# Altium PCB VOU_SOM_CV_V0.0.1.PcbDoc (part 2 of 3) (continued)
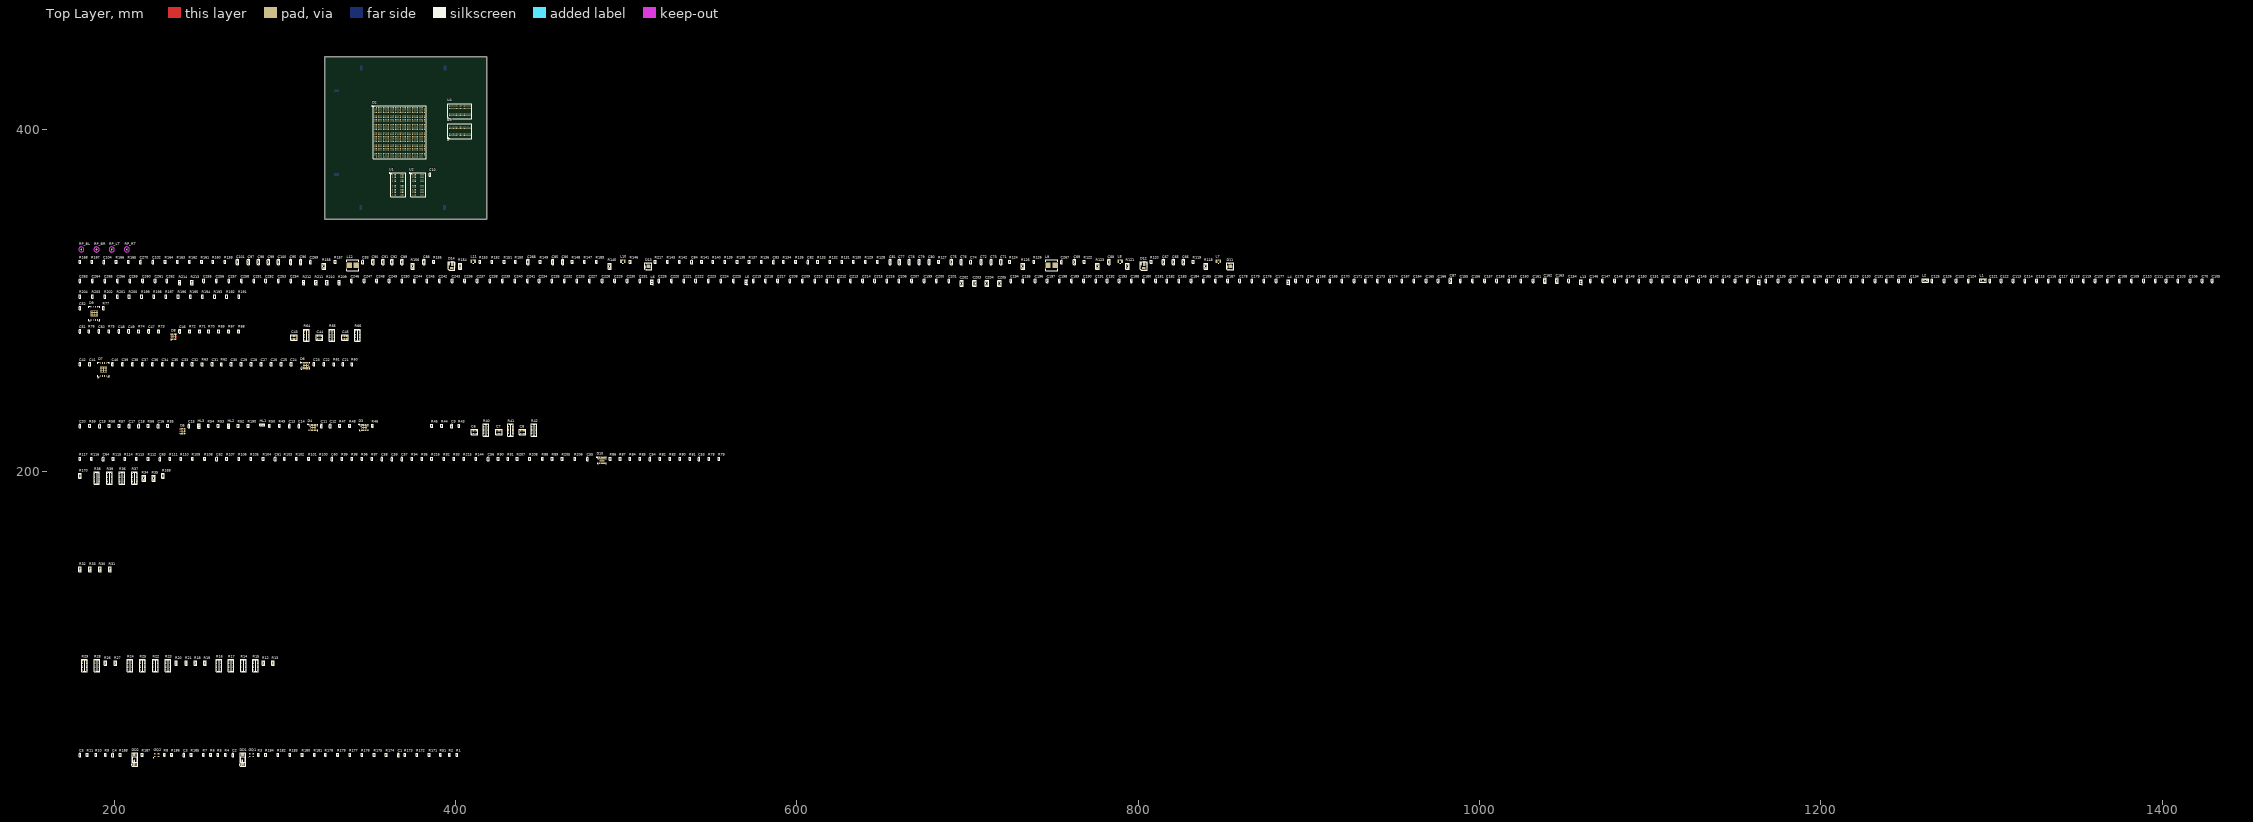
[diagram p0: Top Layer view]
## Footprints (in the part's own frame and the unit in brackets; to place one, negate y for a bottom-side part, rotate by r counter-clockwise, add the part's x,y. Pads: shape width x height; smd on the part's side, far side on the other; paste and mask are expansions set on the pad) (continued)
  Top Layer region: -25.35,-1.55 -25.35,1.55 -23.75,1.55 -23.75,-1.55
  Top Layer region: 23.75,-1.55 23.75,1.55 25.35,1.55 25.35,-1.55
  silkscreen extent -24.55,-4.82 24.55,4.27, body extent -24.55,-3.65 24.55,3.65, height 3.17
INDC2720X12L [mm] "Chip Inductor, 2-Leads, Body 2,70x2,00mm, IPC High Density"
  rect 0.99x2.12 smd: 1(-1.085,0) 2(1.085,0)
  silkscreen extent -0.2,-0.96 0.2,0.96, body extent -1.4,-1.1 1.4,1.1, height 1.2
INDP6965X30L [mm] "Precision Wire Wound Inductor, 2-Leads, Body 6,86x6,47mm, IPC High Density"
  rect 3.2x3.25 smd: 1(-2.15,0) 2(2.15,0)
  silkscreen extent -3.45,-3.25 3.45,3.25, body extent -3.43,-3.23 3.43,3.23, height 3
IR3859 [mm]
  rect 0.75x0.25 smd: 1(0,0) 2(0,-0.5) 3(0,-1) 4(0,-1.5) 5(0,-2) 6(0,-2.5) 7(0,-3)
  rect 0.25x0.75 smd: 8(0.78,-3.425) 9(1.28,-3.425) 10(1.78,-3.425) 14(1.78,0.425) 15(1.28,0.425) 16(0.78,0.425)
  rect 1.95x0.8 smd: 11(3.65,-3.395)
  rect 2.82x1.62 smd: 12(3.84,-1.785)
  rect 1.95x1.37 smd: 13(3.65,0.115)
  rect 1.2x2.19 smd: 17(1.3,-1.5)
  silkscreen extent 0,-3.41 4.91,0.41, body extent 0,-3.41 4.91,0.43, height 1
LED0603_GREEN [mm]
  rect 0.8x1 smd: 1(-0.8,0) 2(0.8,0)
  silkscreen extent -1.4,-0.7 1.4,0.7, body extent -0.81,-0.4 0.81,0.4, height 1.1
LED0603_Red [mm]
  rect 0.8x1 smd: 1(-0.8,0) 2(0.8,0)
  silkscreen extent -1.4,-0.7 1.4,0.7, body extent -0.81,-0.4 0.81,0.4, height 1.1
LED0603_Yellow [mm]
  rect 0.8x1 smd: 1(-0.8,0) 2(0.8,0)
  silkscreen extent -1.4,-0.7 1.4,0.7, body extent -0.81,-0.4 0.81,0.4, height 1.1
MICT-HA-96 [mm] "BGA, 96-Balls, Body 14x9mm, Pitch 0.8mm"
  round 0.4 smd: A1(-3.2,6) A2(-2.4,6) A3(-1.6,6) A7(1.6,6) A8(2.4,6) A9(3.2,6) B1(-3.2,5.2) B2(-2.4,5.2) B3(-1.6,5.2) B7(1.6,5.2) B8(2.4,5.2) B9(3.2,5.2) C1(-3.2,4.4) C2(-2.4,4.4) C3(-1.6,4.4) C7(1.6,4.4) C8(2.4,4.4) C9(3.2,4.4) D1(-3.2,3.6) D2(-2.4,3.6) D3(-1.6,3.6) D7(1.6,3.6) D8(2.4,3.6) D9(3.2,3.6) E1(-3.2,2.8) E2(-2.4,2.8) E3(-1.6,2.8) E7(1.6,2.8) E8(2.4,2.8) E9(3.2,2.8) F1(-3.2,2) F2(-2.4,2) F3(-1.6,2) F7(1.6,2) F8(2.4,2) F9(3.2,2) G1(-3.2,1.2) G2(-2.4,1.2) G3(-1.6,1.2) G7(1.6,1.2) G8(2.4,1.2) G9(3.2,1.2) H1(-3.2,0.4) H2(-2.4,0.4) H3(-1.6,0.4) H7(1.6,0.4) H8(2.4,0.4) H9(3.2,0.4) J1(-3.2,-0.4) J2(-2.4,-0.4) J3(-1.6,-0.4) J7(1.6,-0.4) J8(2.4,-0.4) J9(3.2,-0.4) K1(-3.2,-1.2) K2(-2.4,-1.2) K3(-1.6,-1.2) K7(1.6,-1.2) K8(2.4,-1.2) K9(3.2,-1.2) L1(-3.2,-2) L2(-2.4,-2) L3(-1.6,-2) L7(1.6,-2) L8(2.4,-2) L9(3.2,-2) M1(-3.2,-2.8) M2(-2.4,-2.8) M3(-1.6,-2.8) M7(1.6,-2.8) M8(2.4,-2.8) M9(3.2,-2.8) N1(-3.2,-3.6) N2(-2.4,-3.6) N3(-1.6,-3.6) N7(1.6,-3.6) N8(2.4,-3.6) N9(3.2,-3.6) P1(-3.2,-4.4) P2(-2.4,-4.4) P3(-1.6,-4.4) P7(1.6,-4.4) P8(2.4,-4.4) P9(3.2,-4.4) R1(-3.2,-5.2) R2(-2.4,-5.2) R3(-1.6,-5.2) R7(1.6,-5.2) R8(2.4,-5.2) R9(3.2,-5.2) T1(-3.2,-6) T2(-2.4,-6) T3(-1.6,-6) T7(1.6,-6) T8(2.4,-6) T9(3.2,-6)
  silkscreen extent -5.27,-7 4.5,7, body extent -4.5,-7 4.5,7, height 0.1
QFN50P450X350X100_HS-21N [mm] "QFN, 20-Leads, Body 4,50x3,50mm, Pitch 0,50mm/1,50mm, Thermal Pad 3,05x2,05mm, IPC Medium Density"
  oval 0.9x0.3 smd: 1(-2.175,0.75) 2(-2.175,-0.75) 11(2.175,-0.75) 12(2.175,0.75)
  oval 0.3x0.9 smd: 3(-1.75,-1.675) 4(-1.25,-1.675) 5(-0.75,-1.675) 6(-0.25,-1.675) 7(0.25,-1.675) 8(0.75,-1.675) 9(1.25,-1.675) 10(1.75,-1.675) 13(1.75,1.675) 14(1.25,1.675) 15(0.75,1.675) 16(0.25,1.675) 17(-0.25,1.675) 18(-0.75,1.675) 19(-1.25,1.675) 20(-1.75,1.675)
  rect 3.05x2.05 smd: 21(0,0)
  silkscreen extent -3.25,-1.97 2.48,1.97, body extent -2.32,-1.83 2.33,1.83, height 1
Reper-Normal [mm]
  round 1 smd mask+1: 0(0,0)
  Top Layer keep-out circle w0.1: c0,0 r1.5
RT8012AGQW [mm]
  rect 0.6x0.38 smd: 1(-0.1,0) 2(-0.1,-0.65) 3(-0.1,-1.3) 4(-0.1,-1.95) 9(3.35,-1.95) 10(3.35,-1.3) 11(3.35,-0.65) 12(3.35,0)
  rect 0.38x0.6 smd: 5(0.65,-2.7) 6(1.3,-2.7) 7(1.95,-2.7) 8(2.6,-2.7) 13(2.6,0.75) 14(1.95,0.75) 15(1.3,0.75) 16(0.65,0.75)
  rect 2x2 smd: 17(1.625,-0.975)
  silkscreen extent -0.39,-2.99 3.63,1.04, body extent -0.4,-2.99 3.63,1.05, height 0.8
SON127P800X80_HS-9N [mm] "SON, 8-Leads, Body 6,00x8,00mm, Pitch 1,27mm, Thermal Pad 4,30x3,40mm, IPC Medium Density"
  rect 1.05x0.4 smd: 1(-3.87,1.905) 2(-3.87,0.635) 3(-3.87,-0.635) 4(-3.87,-1.905) 5(3.87,-1.905) 6(3.87,-0.635) 7(3.87,0.635) 8(3.87,1.905)
  rect 3.4x4.3 smd paste-1.7: 9(0,0)
  silkscreen extent -4.7,-3.25 4.25,3.3, body extent -4.1,-3.1 4.1,3.1, height 0.8
TI-DRC10-2400X1650TP_V [mm] "SON, 10-Leads, Body 3x3mm, Pitch 0.5mm, Thermal Pad 3x1.65mm"
  rect 0.85x0.28 smd: 1(-1.475,1) 2(-1.475,0.5) 3(-1.475,0) 4(-1.475,-0.5) 5(-1.475,-1) 6(1.475,-1) 7(1.475,-0.5) 8(1.475,0) 9(1.475,0.5) 10(1.475,1)
  rect 1.65x2.4 smd: 11(0,0)
  Top Layer region: 0.11,1.2 0.11,1.7 0.39,1.7 0.39,1.2
  Top Layer region: -0.11,-1.2 -0.11,-1.7 -0.39,-1.7 -0.39,-1.2
  Top Layer region: 0.11,-1.2 0.11,-1.7 0.39,-1.7 0.39,-1.2
  Top Layer region: -0.11,1.2 -0.11,1.7 -0.39,1.7 -0.39,1.2
  silkscreen extent -2,-1.55 1.55,1.6, body extent -1.5,-1.5 1.5,1.5, height 1
TSSOP-8 [mm] "TSOP, 8-Leads, Body 3.0x4.4mm, Pitch 0.65mm, IPC Medium Density"
  rect 1.7x0.3 smd: 1(-2.85,0.975)
  oval 1.7x0.3 smd: 2(-2.85,0.325) 3(-2.85,-0.325) 4(-2.85,-0.975) 5(2.85,-0.975) 6(2.85,-0.325) 7(2.85,0.325) 8(2.85,0.975)
  silkscreen extent -4,-1.55 4,2.17, body extent -3.2,-1.5 3.2,1.5, height 1.2

## Part data
C1 C2 C3 C4 C5 C9 C10 C11 C12 C13 C14 C15 C16 C17 C18 C19 C20 C21 C22 C23 C24 C25 C26 C27 C28 C29 C30 C31 C32 C33 C34 C35 C36 C37 C38 C39 C40 C41 C42 C46 C47 C48 C49 C50 C51 C52 C53 C54 C55 C56 C57 C58 C59 C60 C61 C62 C63 C64 C70 C74 C82 C83 C84 C93 C94 C102 C103 C104 C105 C106 C107 C108 C109 C110 C111 C112 C113 C114 C115 C116 C117 C118 C119 C120 C121 C122 C123 C124 C125 C126 C127 C128 C129 C130 C131 C132 C133 C134 C135 C136 C137 C138 C139 C140 C141 C142 C143 C144 C145 C146 C147 C148 C149 C150 C151 C152 C153 C154 C155 C156 C157 C158 C159 C160 C161 C164 C165 C166 C167 C168 C169 C170 C171 C172 C173 C174 C175 C176 C177 C178 C179 C180 C181 C182 C183 C184 C185 C186 C187 C188 C189 C190 C191 C192 C193 C194 C195 C196 C197 C198 C199 C200 C201 C206 C207 C208 C209 C210 C211 C212 C213 C214 C215 C216 C217 C218 C219 C220 C221 C222 C223 C224 C225 C226 C227 C228 C229 C230 C231 C232 C233 C234 C235 C236 C237 C238 C239 C240 C241 C242 C243 C244 C245 C246 C247 C248 C249 C250 C251 C252 C253 C254 C255 C256 C257 C258 C259 C260 C261 C262 C263 C264 C265 C266 C267 C269 C270: library part CC0402-X7R-#-20%-10В, "Чип конденсатор керамический"
C6 C7 C8 C43 C44 C45: "Чип конденсатор керамический"
C65 C66 C67 C68 C69 C71 C72 C73 C75 C76 C77 C78 C79 C80 C81 C85 C86 C87 C88 C89 C90 C91 C92 C95 C96 C97 C98 C99 C100 C101 C162 C163 C268: library part CC0603-X5R-#-20%-6,3В, "Чип конденсатор керамический"
C202 C203 C204 C205: library part CC0805-X7R-#-20%-25В, "Чип конденсатор керамический"
D2: "Cyclone V SX Family FPGA, 1.07 to 1.13 V Supply, 288 I/O Pins, 6 PLLs, 896-Pin FBGA, Speed Grade 7, Industrial Grade, RoHS Compliant"
D3 D4 D6 D10: "8-Bit Bidirectional Voltage-Level Translator with Auto Direction Sensing and +/-15-kV ESD Protect, VQFN-20 LARGE T&R"
D5 D8: "Single Output LDO, 3 A, 2.375 to 3.5 V Input, with DDR Termination, 10-pin SON (DRC), -40 to 85 degC, Green (RoHS & no Sb/Br)"
D7 D9: "512 Mb (x1/x2/x4) Serial NOR Flash Memory with Multi I/O, 108 MHz, 2.7 to 3.6 V, 16-pin SO16 Wide (SF), Tape & Reel"
D12 D14: library part IR3859MPbF, "IC REG BUCK ADJ 9A SYNC 17PQFN"
DD1 DD2: "High-Performance  Clock Buffer 1:4"
GQ1 GQ2: library part OSC-ABRCN-ASE3, "Dual High Side Switch With OC_DET 500mA/CH"
HL1: "Светодиод красный SMD0603"
HL2: "Светодиод желтый SMD0603"
HL3: "Светодиод зеленый SMD0603"
L1 L2: library part BLM21, "Чип индуктивность подавления EMP"
L3 L4 L5 L6 L13: library part BLM18, "Чип индуктивность подавления EMP"
L7 L10: library part L_VISH_IIHHP1008ABE, "FIXED IND 2.2UH 2.3A 90 MOHM SMD"
L8 L11: library part L_VISH_IIHHP1008ABE_1, "FIXED IND 1.5UH 2.4A 96 MOHM SMD"
L9 L12: library part L_VISH_IHLP2525CZERR68M01, "FIXED IND 680NH 15.5A 5.5 MOHM"
R1 R2 R3 R4 R5 R6 R7 R8 R9 R10 R11 R43 R44 R45 R46 R47 R48 R49 R50 R51 R52 R53 R54 R55 R56 R57 R58 R59 R60 R61 R62 R63 R67 R68 R69 R70 R71 R72 R73 R74 R75 R76 R77 R78 R79 R80 R81 R82 R83 R84 R85 R86 R87 R88 R89 R90 R91 R92 R93 R94 R95 R96 R97 R98 R99 R100 R101 R102 R103 R104 R105 R106 R107 R108 R109 R110 R111 R112 R113 R114 R115 R116 R117 R131 R134 R135 R136 R138 R139 R141 R143 R144 R146 R148 R149 R150 R152 R153 R163 R168 R171 R172 R173 R174 R175 R176 R177 R178 R179 R180 R181 R182 R183 R184 R185 R186 R187 R188 R189 R190 R191 R192 R193 R194 R195 R196 R197 R198 R199 R200 R201 R202 R203 R204 R205 R206 R207 R208 R215 R216 R217: library part CR0402-#-±5%, "Чип резистор"
R12 R13 R18 R19 R20 R21 R26 R27 R30 R31 R32 R33 R169 R170 R209 R210 R211 R212 R213 R214: library part CR0603-#-±5%, "Чип резистор"
R14 R15 R16 R17 R22 R23 R24 R25 R28 R29 R36 R37 R38 R39 R40 R41 R42 R64 R65 R66: library part YC248-JR-07-#, "Набор чип резисторов"
R34 R35: library part CR0805-#-±1%, "Чип резистор"
R118 R121 R123 R125 R145 R154 R156 R158: library part CR0805-#-±5%, "Чип резистор"
R119 R120 R122 R124 R126 R127 R128 R129 R130 R132 R133 R137 R140 R142 R147 R151 R155 R157 R159 R160 R161 R162 R164 R165 R166 R167: library part CR0402-#-±1%, "Чип резистор"
RP_BL RP_BR RP_LT RP_RT: library part Reper, "Стабилизатор положительного напряжения"
U1 U2 U3 U4: "4Gb DDR3-1600 SDRAM, 256Mb x 16, 1.25ns, 1.35V, -40 to 95 degC, 96-Ball FBGA, Pb-Free"

## Via types
v1: diameter 0.5, hole 0.2, Top Layer to Bottom Layer, 56 vias

## Nets (pads, with @x,y where several pads share a name; then routed paths per layer and width w, separated by ;. In a path a pad name is that pad's centre, name@x,y a point inside that pad or via, vN(x,y) a via of type N, cw(c..) or ccw(c..) an arc to the next point about the centre after c; other vN are vias at no path point)
1.35TO3V3_IOBUF_EN: D3.10 D4.10 R1.1
1V1_PEN: D14.15 R135.2
1V1_POK: D14.8 R149.1
1V2_PEN: D13.11 R146.2 R189.2 R217.1
1V2_POK: D13.1 R152.1
1V8_PEN: D11.11 R141.2
1V8_POK: D11.1 R146.1
1V35_PEN: D13.15 R143.2
1V35_POK: D13.13 R153.1
2.5TO3V3_IOBUF_EN: D10.10 R2.1
2V5_PEN: D11.15 R136.2
2V5_POK: D11.13 R189.1
3V3_IOBUF_EN: D2.AA30
3V3_POK: D12.8 R134.1
CFG_DIFFI1_N: D2.B12 X2.162
CFG_DIFFI1_P: D2.C13 X2.166
CFG_DIFFI2_N: D2.F14 X2.151
CFG_DIFFI2_P: D2.F15 X2.155
CFG_DIFFI3_N: D2.D10 X2.154
CFG_DIFFI3_P: D2.D11 X2.158
CFG_DIFFI5_N: D2.D9 X2.146
CFG_DIFFI5_P: D2.E9 X2.150
CFG_DIFFI6_N: D2.G13 X2.135
CFG_DIFFI6_P: D2.H14 X2.139
CFG_DIFFI7_N: D2.E13 X2.138
CFG_DIFFI7_P: D2.F13 X2.142
CFG_DIFFI8_N: D2.G8 X2.127
CFG_DIFFI8_P: D2.H8 X2.131
CFG_DIFFI9_N: D2.D12 X2.130
CFG_DIFFI9_P: D2.E12 X2.134
CFG_DIFFI10_N: D2.H12 X2.119
CFG_DIFFI10_P: D2.H13 X2.123
CFG_DIFFI11_N: D2.E11 X2.122
CFG_DIFFI11_P: D2.F11 X2.126
CFG_DIFFI12_N: D2.H7 X2.111
CFG_DIFFI12_P: D2.J7 X2.115
CFG_DIFFI13_N: D2.B5 X2.114
CFG_DIFFI13_P: D2.B6 X2.118
CFG_DIFFI14_N: D2.J12 X2.103
CFG_DIFFI14_P: D2.K12 X2.107
CFG_DIFFI15_N: D2.G11 X2.106
CFG_DIFFI15_P: D2.G12 X2.110
CFG_DIFFI16_N: D2.K8 X2.95
CFG_DIFFI16_P: D2.K7 X2.99
CFG_DIFFI17_N: D2.F10 X2.98
CFG_DIFFI17_P: D2.G10 X2.102
CFG_DIFFI18_N: D2.J9 X2.87
CFG_DIFFI18_P: D2.J10 X2.91
CFG_DIFFI19_N: D2.F8 X2.90
CFG_DIFFI19_P: D2.F9 X2.94
CFG_DIFFI_CKI0_N: D2.G15 X2.159
CFG_DIFFI_CKI0_P: D2.H15 X2.163
CFG_DIFFI_CKI4_N: D2.J14 X2.143
CFG_DIFFI_CKI4_P: D2.K14 X2.147
CFG_DIFFO0_N: D2.A13 X2.75
CFG_DIFFO0_P: D2.B13 X2.79
CFG_DIFFO2_N: D2.B11 X2.67
CFG_DIFFO2_P: D2.C12 X2.71
CFG_DIFFO3_N: D2.A8 X2.70
CFG_DIFFO3_P: D2.A9 X2.74
CFG_DIFFO4_N: D2.B7 X2.59
CFG_DIFFO4_P: D2.C7 X2.63
CFG_DIFFO5_N: D2.B8 X2.62
CFG_DIFFO5_P: D2.C8 X2.66
CFG_DIFFO6_N: D2.C9 X2.51
CFG_DIFFO6_P: D2.C10 X2.55
CFG_DIFFO7_N: D2.A5 X2.54
CFG_DIFFO7_P: D2.A6 X2.58
CFG_DIFFO8_N: D2.A3 X2.43
CFG_DIFFO8_P: D2.A4 X2.47
CFG_DIFFO9_N: D2.C5 X2.46
CFG_DIFFO9_P: D2.D6 X2.50
CFG_DIFFO10_N: D2.C4 X2.35
CFG_DIFFO10_P: D2.D5 X2.39
CFG_DIFFO11_N: D2.D7 X2.38
CFG_DIFFO11_P: D2.E8 X2.42
CFG_DIFFO12_N: D2.B1 X2.27
CFG_DIFFO12_P: D2.B2 X2.31
CFG_DIFFO13_N: D2.B3 X2.30
CFG_DIFFO13_P: D2.C3 X2.34
CFG_DIFFO14_N: D2.C2 X2.19
CFG_DIFFO14_P: D2.D2 X2.23
CFG_DIFFO15_N: D2.D4 X2.22
CFG_DIFFO15_P: D2.E4 X2.26
CFG_DIFFO16_N: D2.E2 X2.11
CFG_DIFFO16_P: D2.E3 X2.15
CFG_DIFFO17_N: D2.D1 X2.14
CFG_DIFFO17_P: D2.E1 X2.18
CFG_DIFFO19_N: D2.F6 X2.6
CFG_DIFFO19_P: D2.G7 X2.10
CFG_DIFFO_CKO1_N: D2.A10 X2.78
CFG_DIFFO_CKO1_P: D2.A11 X2.82
CFG_DIFFO_CKO18_N: D2.E6 X2.3
CFG_DIFFO_CKO18_P: D2.E7 X2.7
DDR3_VREF_FPGA: C15.1 C167.1 D2.AJ15 D2.AK17 D5.6 U1.H1 U1.M8 U2.H1 U2.M8
DDR3_VREF_HPS: C46.1 D2.G27 D2.U30 D8.6 U3.H1 U3.M8 U4.H1 U4.M8
DDR3_VTT_FPGA: C6.5 C6.6 C6.7 C6.8 C7.5 C7.6 C7.7 C7.8 C8.5 C8.6 C8.7 C8.8 C17.1 C18.1 D5.3 D5.5 R40.9 R40.10 R40.11 R40.12 R40.13 R40.14 R40.15 R40.16 R41.9 R41.10 R41.11 R41.12 R41.13 R41.14 R41.15 R41.16 R42.9 R42.10 R42.11 R42.12 R42.13 R42.14 R42.15 R42.16
DDR3_VTT_HPS: C43.5 C43.6 C43.7 C43.8 C44.5 C44.6 C44.7 C44.8 C45.5 C45.6 C45.7 C45.8 C48.1 C49.1 D8.3 D8.5 R64.9 R64.10 R64.11 R64.12 R64.13 R64.14 R64.15 R64.16 R65.9 R65.10 R65.11 R65.12 R65.13 R65.14 R65.15 R65.16 R66.9 R66.10 R66.11 R66.12 R66.13 R66.14 R66.15 R66.16
EPCQ_CK: D2.U7 D6.7
EPCQ_CK_: D6.14 D7.6
EPCQ_CS#: D2.AB8 D6.6
EPCQ_CS#_: D6.15 D7.1
EPCQ_D0: D2.AE6 D6.1
EPCQ_D0_: D6.20 D7.5
EPCQ_D1: D2.AE5 D6.3
EPCQ_D1_: D6.18 D7.7
EPCQ_D2: D2.AE8 D6.4
EPCQ_D2_: D6.17 D7.3
EPCQ_D3: D2.AC7 D6.5
EPCQ_D3_: D6.16 D7.2
EXT_PEN: R139.1 X1.97
EXT_RST#: R185.2 X1.93
FPGA_CFG1V35_IO_0: D2.AG10 D3.1
FPGA_CFG1V35_IO_1: D2.AH9 D3.3
FPGA_CFG1V35_IO_2: D2.AK2 D3.4
FPGA_CFG1V35_IO_3: D2.AK3 D3.5
FPGA_CFG1V35_IO_4: D2.AJ4 D3.6
FPGA_CFG1V35_IO_5: D2.AK4 D3.7
FPGA_CFG1V35_IO_6: D2.AJ5 D3.8
FPGA_CFG1V35_IO_7: D2.AK6 D3.9
FPGA_CFG1V35_IO_8: D2.AG13 R51.2
FPGA_CFG1V35_IO_9: D2.AC14 HL1.2
FPGA_CFG1V35_IO_10: D2.AD20 D4.1
FPGA_CFG1V35_IO_11: D2.AD21 D4.3
FPGA_CFG1V35_IO_12: D2.Y19 D4.4
FPGA_CFG1V35_IO_13: D2.AA20 D4.5
FPGA_CFG1V35_IO_14: D2.AC22 D4.6
FPGA_CFG1V35_IO_15: D2.AC23 D4.7
FPGA_CFG1V35_IO_16: D2.AD24 D4.8
FPGA_CFG1V35_IO_17: D2.AE24 D4.9
FPGA_CFG1V35_IO_18: D2.AF25 HL2.2
FPGA_CFG1V35_IO_19: D2.AH27 HL3.2
FPGA_CFG1V35_IO_20: D2.AK28 R171.2
FPGA_CFG1V35_IO_21: D2.AJ19 R172.2
FPGA_CFG1V35_IO_22: D2.AK16 R173.2
FPGA_CFG2V5_IO_0: D2.AB30 R205.1
FPGA_CFG2V5_IO_2: D2.AG27 R37.8
FPGA_CFG2V5_IO_3: D2.AH28 R37.7
FPGA_CFG2V5_IO_4: D2.AG28 R37.6
FPGA_CFG2V5_IO_5: D2.AF28 R37.5
FPGA_CFG2V5_IO_6: D2.AF29 R37.4
FPGA_CFG2V5_IO_7: D2.AF30 R37.3
FPGA_CFG2V5_IO_8: D2.AH30 R37.2
FPGA_CFG2V5_IO_9: D2.AG30 R37.1
FPGA_CFG2V5_IO_10: D2.AC28 R39.8
FPGA_CFG2V5_IO_11: D2.AC29 R39.7
FPGA_CFG2V5_IO_12: D2.AB28 R39.6
FPGA_CFG2V5_IO_13: D2.AA28 R39.5
FPGA_CFG2V5_IO_14: D2.AD30 R39.4
FPGA_CFG2V5_IO_15: D2.AC30 R39.3
FPGA_CFG2V5_IO_16: D2.AA12 R207.1
FPGA_CFG2V5_IO_17: D2.AB12 D10.7
FPGA_CFG2V5_IO_18: D2.AJ1 R39.2
FPGA_CFG2V5_IO_19: D2.AJ2 R39.1
FPGA_CFG2V5_IO_20: D2.AD9 D10.8
FPGA_CFG2V5_IO_21: D2.AE9 D10.9
FPGA_CFG2V5_IO_22: D2.AE11 R28.9
FPGA_CFG2V5_IO_23: D2.AF10 R28.10
FPGA_CFG2V5_IO_24: D2.AG3 R28.11
FPGA_CFG2V5_IO_25: D2.AH4 R28.12
FPGA_CFG2V5_IO_26: D2.AF9 R28.13
FPGA_CFG2V5_IO_27: D2.AG8 R28.14
FPGA_CFG2V5_IO_28: D2.AF8 R28.15
FPGA_CFG2V5_IO_29: D2.AG7 R28.16
FPGA_CFG2V5_IO_30: D2.AF6 R29.9
FPGA_CFG2V5_IO_31: D2.AG6 R29.10
FPGA_CFG2V5_IO_32: D2.AG5 R29.11
FPGA_CFG2V5_IO_33: D2.AH5 R29.12
FPGA_CFG2V5_IO_34: D2.AC12 R29.13
FPGA_CFG2V5_IO_35: D2.AD12 R29.14
FPGA_CFG2V5_IO_36: D2.AG2 R29.15
FPGA_CFG2V5_IO_37: D2.AH3 R29.16
FPGA_CFG2V5_IO_R_2: R37.9 X3.94
FPGA_CFG2V5_IO_R_3: R37.10 X3.96
FPGA_CFG2V5_IO_R_4: R37.11 X3.98
FPGA_CFG2V5_IO_R_5: R37.12 X3.100
FPGA_CFG2V5_IO_R_6: R37.13 X3.102
FPGA_CFG2V5_IO_R_7: R37.14 X3.104
FPGA_CFG2V5_IO_R_8: R37.15 X3.106
FPGA_CFG2V5_IO_R_9: R37.16 X3.108
FPGA_CFG2V5_IO_R_10: R39.9 X3.110
FPGA_CFG2V5_IO_R_11: R39.10 X3.112
FPGA_CFG2V5_IO_R_12: R39.11 X3.114
FPGA_CFG2V5_IO_R_13: R39.12 X3.116
FPGA_CFG2V5_IO_R_14: R39.13 X3.118
FPGA_CFG2V5_IO_R_15: R39.14 X3.120
FPGA_CFG2V5_IO_R_18: R39.15 X3.122
FPGA_CFG2V5_IO_R_19: R39.16 X3.124
FPGA_CFG2V5_IO_R_22: R28.8 X1.121
FPGA_CFG2V5_IO_R_23: R28.7 X1.125
FPGA_CFG2V5_IO_R_24: R28.6 X1.129
FPGA_CFG2V5_IO_R_25: R28.5 X1.133
FPGA_CFG2V5_IO_R_26: R28.4 X1.137
FPGA_CFG2V5_IO_R_27: R28.3 X1.141
FPGA_CFG2V5_IO_R_28: R28.2 X1.145
FPGA_CFG2V5_IO_R_29: R28.1 X1.149
FPGA_CFG2V5_IO_R_30: R29.8 X1.153
FPGA_CFG2V5_IO_R_31: R29.7 X1.157
FPGA_CFG2V5_IO_R_32: R29.6 X1.108
FPGA_CFG2V5_IO_R_33: R29.5 X1.107
FPGA_CFG2V5_IO_R_34: R29.4 X1.110
FPGA_CFG2V5_IO_R_35: R29.3 X1.109
FPGA_CFG2V5_IO_R_36: R29.2 X1.112
FPGA_CFG2V5_IO_R_37: R29.1 X1.111
FPGA_CFG3V3_IO_0: D3.20 R36.16
FPGA_CFG3V3_IO_1: D3.18 R36.15
FPGA_CFG3V3_IO_2: D3.17 R36.14
FPGA_CFG3V3_IO_3: D3.16 R36.13
FPGA_CFG3V3_IO_4: D3.15 R36.12
FPGA_CFG3V3_IO_5: D3.14 R36.11
FPGA_CFG3V3_IO_6: D3.13 R36.10
FPGA_CFG3V3_IO_7: D3.12 R36.9
FPGA_CFG3V3_IO_8: D4.20 R38.16
FPGA_CFG3V3_IO_9: D4.18 R38.15
FPGA_CFG3V3_IO_10: D4.17 R38.14
FPGA_CFG3V3_IO_11: D4.16 R38.13
FPGA_CFG3V3_IO_12: D4.15 R38.12
FPGA_CFG3V3_IO_13: D4.14 R38.11
FPGA_CFG3V3_IO_14: D4.13 R38.10
FPGA_CFG3V3_IO_15: D4.12 R38.9
FPGA_CFG3V3_IO_16: D10.14 R144.1
FPGA_CFG3V3_IO_17: D10.13 R215.1
FPGA_CFG3V3_IO_18: D10.12 R216.1
FPGA_CK_N: D2.AA15 U2.K7
FPGA_CK_P: D2.AA14 U2.J7
FPGA_CKE: D2.AJ21 U2.K9
FPGA_CONF#: D2.J5 R175.2
FPGA_CONFDONE: D2.F3 R174.2
FPGA_DDR_A0: D2.AJ14 R40.8 U1.N3 U2.N3
FPGA_DDR_A1: D2.AK14 R40.7 U1.P7 U2.P7
FPGA_DDR_A2: D2.AH12 R40.6 U1.P3 U2.P3
FPGA_DDR_A3: D2.AJ12 R40.5 U1.N2 U2.N2
FPGA_DDR_A4: D2.AG15 R40.4 U1.P8 U2.P8
FPGA_DDR_A5: D2.AH15 R40.3 U1.P2 U2.P2
FPGA_DDR_A6: D2.AK12 R40.2 U1.R8 U2.R8
FPGA_DDR_A7: D2.AK13 R40.1 U1.R2 U2.R2
FPGA_DDR_A8: D2.AH13 R41.7 U1.R3 U2.R3
FPGA_DDR_A9: D2.AH14 R41.8 U1.T8 U2.T8
FPGA_DDR_A10: D2.AJ9 R41.6 U1.L7 U2.L7
FPGA_DDR_A11: D2.AK9 R41.5 U1.R7 U2.R7
FPGA_DDR_A12: D2.AK7 R41.4 U1.N7 U2.N7
FPGA_DDR_A13: D2.AK8 R41.3 U1.T3 U2.T3
FPGA_DDR_A14: D2.AG12 R41.2 U1.T7 U2.T7
FPGA_DDR_BA0: D2.AH10 R41.1 U1.M2 U2.M2
FPGA_DDR_BA1: D2.AJ11 R42.8 U1.N8 U2.N8
FPGA_DDR_BA2: D2.AK11 R42.7 U1.M3 U2.M3
FPGA_DDR_CAS#: D2.AH7 R42.4 U1.K3 U2.K3
FPGA_DDR_CK_N: R53.1 U1.K7
FPGA_DDR_CK_P: R53.2 U1.J7
FPGA_DDR_CKE: R42.6 R190.2 U1.K9
FPGA_DDR_CS#: D2.AB15 R42.2 U1.L2 U2.L2
FPGA_DDR_D0: D2.AF18 U2.E3
FPGA_DDR_D1: D2.AE17 U2.F7
FPGA_DDR_D2: D2.AG16 U2.F2
FPGA_DDR_D3: D2.AF16 U2.F8
FPGA_DDR_D4: D2.AH20 U2.H3
FPGA_DDR_D5: D2.AG21 U2.H8
FPGA_DDR_D6: D2.AJ16 U2.G2
FPGA_DDR_D7: D2.AH18 U2.H7
FPGA_DDR_D8: D2.AK18 U2.D7
FPGA_DDR_D9: D2.AJ17 U2.C3
FPGA_DDR_D10: D2.AG18 U2.C8
FPGA_DDR_D11: D2.AK19 U2.C2
FPGA_DDR_D12: D2.AG20 U2.A7
FPGA_DDR_D13: D2.AF19 U2.A2
FPGA_DDR_D14: D2.AJ20 U2.B8
FPGA_DDR_D15: D2.AH24 U2.A3
FPGA_DDR_D16: D2.AE19 U1.E3
FPGA_DDR_D17: D2.AE18 U1.F7
FPGA_DDR_D18: D2.AG22 U1.F2
FPGA_DDR_D19: D2.AK22 U1.F8
FPGA_DDR_D20: D2.AF21 U1.H3
FPGA_DDR_D21: D2.AF20 U1.H8
FPGA_DDR_D22: D2.AH23 U1.G2
FPGA_DDR_D23: D2.AK24 U1.H7
FPGA_DDR_D24: D2.AF24 U1.D7
FPGA_DDR_D25: D2.AF23 U1.C3
FPGA_DDR_D26: D2.AJ24 U1.C8
FPGA_DDR_D27: D2.AK26 U1.C2
FPGA_DDR_D28: D2.AE23 U1.A7
FPGA_DDR_D29: D2.AE22 U1.A2
FPGA_DDR_D30: D2.AG25 U1.B8
FPGA_DDR_D31: D2.AK27 U1.A3
FPGA_DDR_DM0: D2.AH17 U2.E7
FPGA_DDR_DM1: D2.AG23 U2.D3
FPGA_DDR_DM2: D2.AK23 U1.E7
FPGA_DDR_DM3: D2.AJ27 U1.D3
FPGA_DDR_DQS_N0: D2.W16 U2.G3
FPGA_DDR_DQS_N1: D2.W17 U2.B7
FPGA_DDR_DQS_N2: D2.AA18 U1.G3
FPGA_DDR_DQS_N3: D2.AD19 U1.B7
FPGA_DDR_DQS_P0: D2.V16 U2.F3
FPGA_DDR_DQS_P1: D2.V17 U2.C7
FPGA_DDR_DQS_P2: D2.Y17 U1.F3
FPGA_DDR_DQS_P3: D2.AC20 U1.C7
FPGA_DDR_ODT: D2.AE16 R42.1 U1.K1 U2.K1
FPGA_DDR_RAS#: D2.AH8 R42.3 U1.J3 U2.J3
FPGA_DDR_RST#: D2.AK21 R49.2 U1.T2 U2.T2